# Allegro board 6089-119-RevA_41.brd (continued)
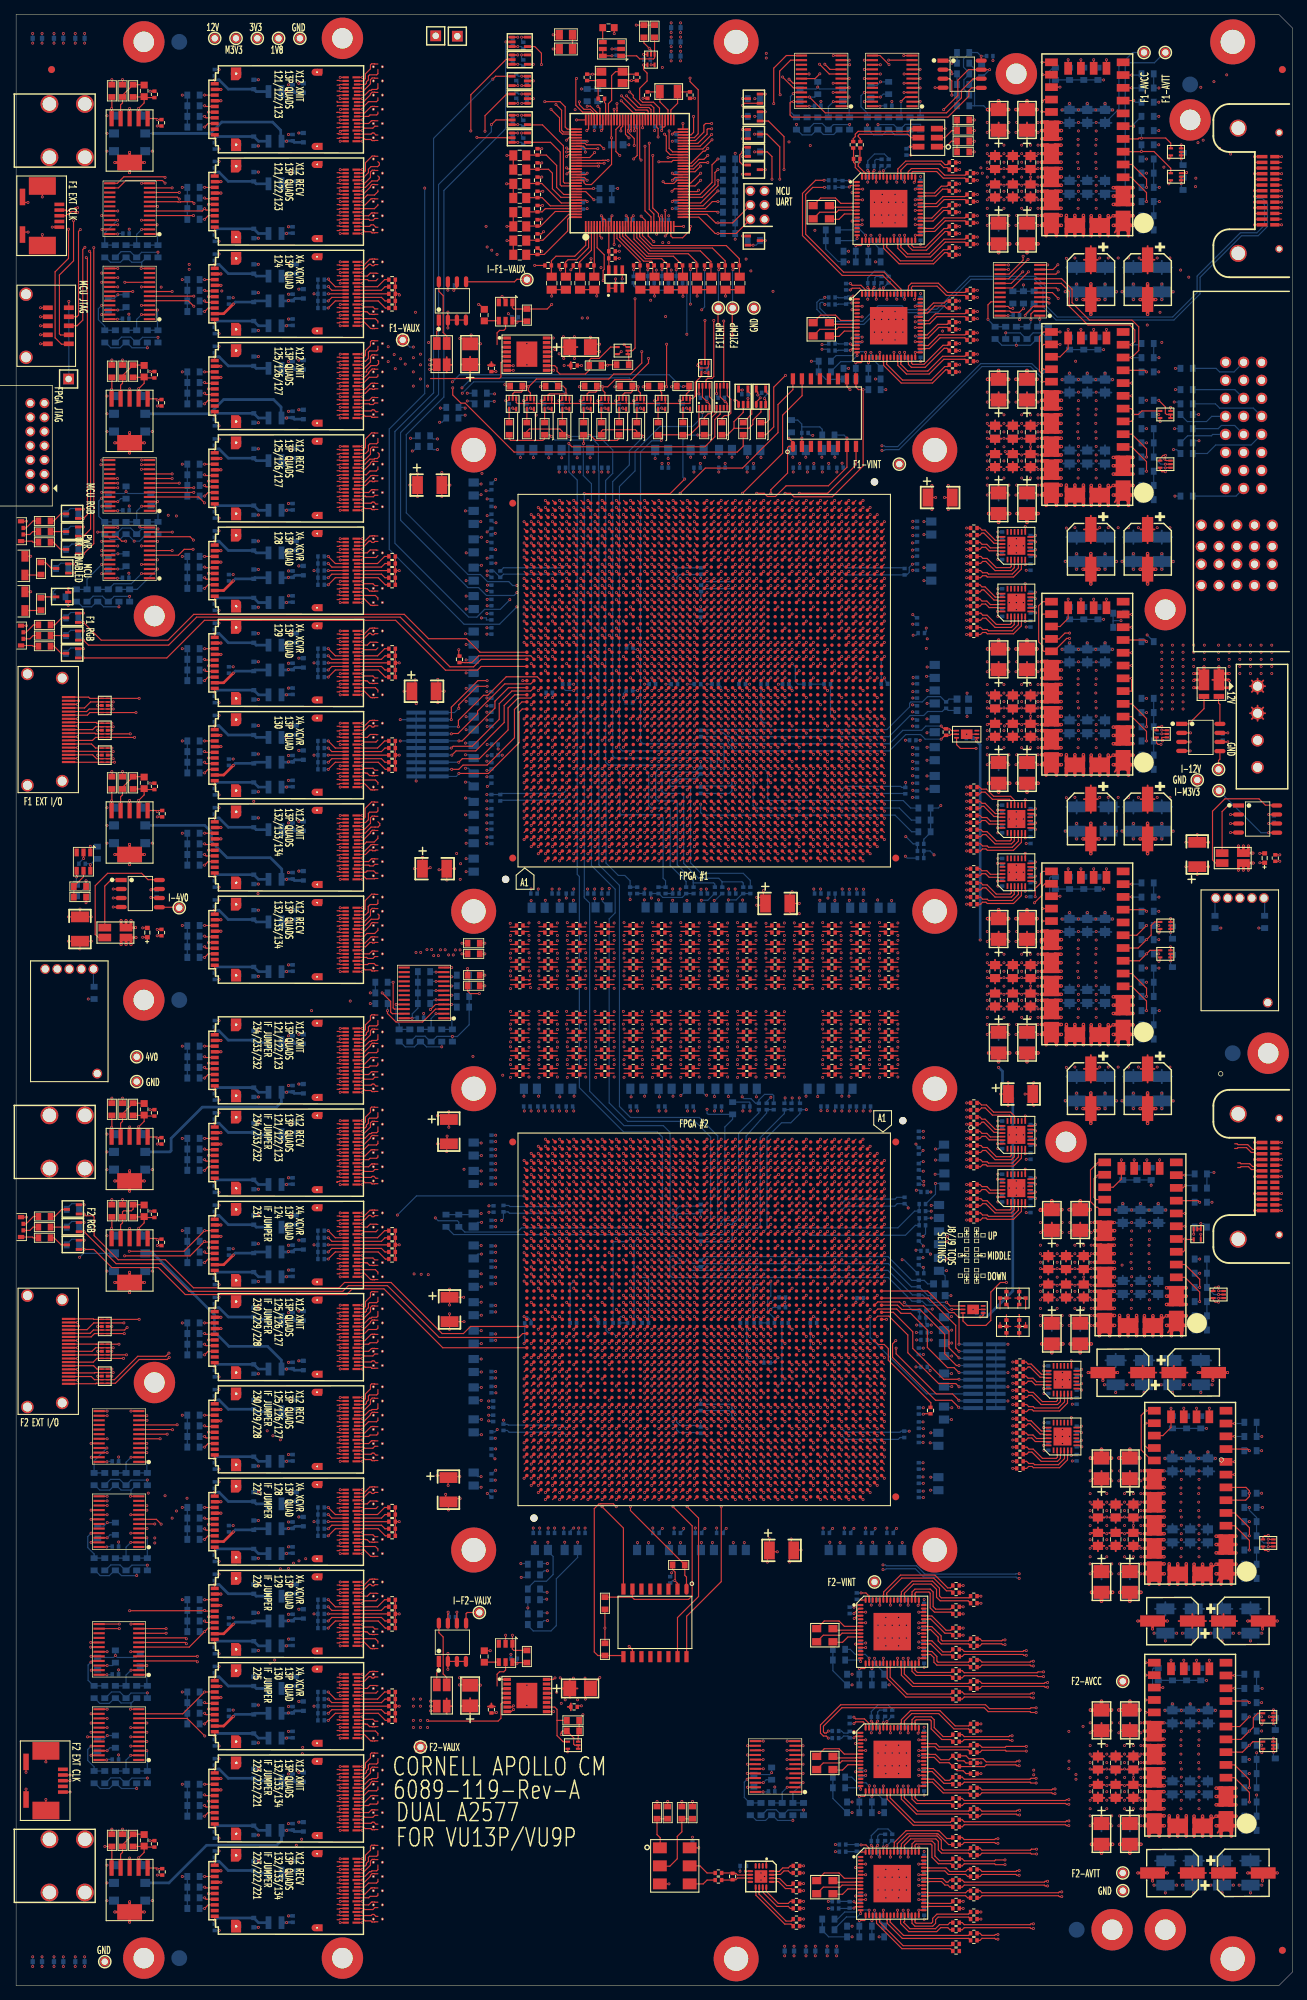
[diagram p0: board, top side]
## Routing (per net, layer and track width the routed paths; a pad name or vN(x,y) marks a point on that pad's centre or on a via; arc(x,y) is an arc through that point) (continued)
GND: length 8752.8
  TOP w0.165: U75.AL34 v1(102.39,192.29) ; U77.BA43 v1(81.61,76.51) ; U75.BE15 v1(116.39,172.51) ; U75.U4 v1(87.61,161.51) ; U77.M46 v1(111.39,73.51) ; U75.K2 v1(80.61,159.51) ; U77.Y46 v1(103.39,73.51) ; U43A.A7 v1(48.81,14.9) ; U77.F14 v1(117.39,106.29) ; U77.AA22 v1(102.39,98.29) ; U75.A35 v1(71.61,193.29) ; R77.2 v1(62.85,145.4) ; v1(68.51,238.03) 68.51,237.94 69,237.45 U47.2 ; U77.AD51 v1(99.39,68.51) ; C15.2 v1(19.89,262.05) ; U31A.A13 v1(48.81,171.9) ; U77.BK33 v1(72.61,86.51) ; U75.AG20 v1(98.39,177.51) ; U75.AE32 v1(95.61,190.29) ; U77.AN12 v1(89.61,108.29) ; U75.N3 v1(83.61,160.51) ; U75.AD11 v1(94.61,168.51) ; U77.A39 v1(122.39,80.51) ; U77.R12 v1(108.39,108.29) ; U36A.A13 v1(48.81,102.9) ; U75.M51 v1(82.61,209.29) ; U41A.A7 v1(48.81,40.9) ; U77.N20 v1(110.39,100.29) ; U75.AH21 v1(99.39,178.51) ; U77.H16 v1(115.39,104.29) ; U77.AN47 v1(89.61,72.51) ; U42A.B7 v1(45.69,27.9) ; U77.AG12 v1(95.61,108.29) ; U75.AG8 v1(98.39,165.51) ; U77.AR28 v1(87.61,91.51) ; U24A.B7 45.69,265.9 v1(45.69,265.91) ; U75.B6 v1(72.61,163.51) ; v1(131.4,208) 131.4,209.14 C295.2 ; U75.W26 v1(89.61,184.29) ; U75.AW38 v1(110.39,196.29) ; U75.BE9 v1(116.39,166.51) ; U75.AJ14 v1(100.39,171.51) ; U75.C36 v1(73.61,194.29) ; U77.AP27 v1(88.61,92.51) ; U77.BK16 v1(72.61,104.29) ; U77.BG7 v1(75.61,113.29) ; U75.AC16 v1(93.61,173.51) ; U75.AA9 v1(91.61,166.51) ; U77.AA47 v1(102.39,72.51) ; U77.N38 v1(110.39,81.51) ; U77.E34 v1(118.39,85.51) ; U75.BD11 v1(115.39,168.51) ; U75.E48 v1(75.61,206.29) ; P3.1 v1(178.38,118.83) ; U75.AN20 v1(104.39,177.51) ; U81.3 105.66,223.44 105.5,223.6 v1(105.5,223.65) ; U77.W24 v1(104.39,96.29) ; U77.H21 v1(115.39,99.29) ; U77.W36 v1(104.39,83.51) ; U75.AM6 v1(103.39,163.51) ; U77.BB51 v1(80.61,68.51) ; U29A.A16 v1(48.81,196.4) ; U77.AP2 v1(88.61,118.29) ; U37A.B16 v1(45.69,88.4) ; U75.AK37 v1(101.39,195.29) ; U77.BC5 v1(79.61,115.29) ; U77.AF19 v1(97.39,101.29) ; C37.2 C36.2 v1(69.15,253.9) ; U75.AC39 v1(93.61,197.29) ; U37A.A4 v1(48.81,94.4) ; U124.3 176.65,62.9 176.62,62.93 v1(176.5,62.93) ; U77.AJ3 v1(93.61,117.29) ; U75.V47 v1(88.61,205.29) ; U75.AL12 v1(102.39,169.51) ; U106.13 v1(153.7,233.38) ; U75.M5 v1(82.61,162.51) ; U75.BH45 v1(119.39,203.29) ; U77.AY11 v1(82.61,109.29) ; U77.AN5 v1(89.61,115.29) ; U34A.B16 v1(45.69,127.4) ; U75.F19 v1(76.61,176.51) ; U75.R14 v1(85.61,171.51) ; U75.AU5 v1(108.39,162.51) ; v1(79.52,223.34) 79.83,223.34 80,223.51 U62.3 ; U77.BF51 v1(76.61,68.51) ; U75.BK14 v1(121.39,171.51) ; U77.BG48 v1(75.61,71.51) ; U57.8 69.78,38.62 70.12,38.98 70.12,38.92 v1(70.13,38.92) ; U75.AH47 v1(99.39,205.29) ; U75.B3 v1(72.61,160.51) ; U77.AP23 v1(88.61,97.29) ; U75.W14 v1(89.61,171.51) ; U75.BA40 v1(112.39,198.29) ; U75.W40 v1(89.61,198.29) ; U77.AD40 v1(99.39,79.51) ; U75.BE5 v1(116.39,162.51) ; U75.BL7 v1(122.39,164.51) ; U77.AB33 v1(101.39,86.51) ; U40A.A4 v1(48.81,55.4) ; U77.BL7 v1(71.61,113.29) ; U75.AJ26 v1(100.39,184.29) ; U75.AM19 v1(103.39,176.51) ; U75.AE24 v1(95.61,181.51) ; U77.V27 v1(105.39,92.51) ; U77.M5 v1(111.39,115.29) ; U37A.A7 v1(48.81,92.9) ; U78.3 96.27,228.69 96.1,228.52 v1(96.1,228.3) 96.45,227.95 97.43,227.95 97.6,228.12 U78.1 ; v1(62.5,43.4) 62.75,43.4 63.75,42.4 ; U75.D16 v1(74.61,173.51) ; U75.V1 v1(88.61,158.51) ; U38A.A13 v1(48.81,76.9) ; U75.Y21 v1(90.61,178.51) ; U77.AP31 v1(88.61,88.51) ; U77.BE49 v1(77.61,70.51) ; U75.AL20 v1(102.39,177.51) ; U77.BH20 v1(74.61,100.29) ; U77.AL48 v1(91.61,71.51) ; U43A.B19 v1(45.69,8.9) ; U77.W18 v1(104.39,102.29) ; U77.BK5 v1(72.61,115.29) ; U120.7 v1(170.81,176.53) ; U77.AT1 v1(86.61,119.29) ; U77.AU18 v1(85.61,102.29) ; U77.AM37 v1(90.61,82.51) ; U77.AF27 v1(97.39,92.51) ; v1(84,249.4) 83.9,249.3 U68.10 ; U77.BB38 v1(80.61,81.51) ; U75.BJ43 v1(120.39,201.29) ; U31A.B1 v1(45.69,177.9) ; U77.AF5 v1(97.39,115.29) ; U77.BJ39 v1(73.61,80.51) ; U75.BB2 v1(113.39,159.51) ; U75.AR8 v1(106.39,165.51) ; U75.AJ4 v1(100.39,161.51) ; U75.E12 v1(75.61,169.51) ; U75.AT51 v1(107.39,209.29) ; U75.C21 v1(73.61,178.51) ; U75.AK33 v1(101.39,191.29) ; v1(70.1,39.45) 69.92,39.27 U57.7 ; U75.AE9 v1(95.61,166.51) ; U75.U28 v1(87.61,186.29) ; U77.L38 v1(112.39,81.51) ; U77.C40 v1(120.39,79.51) ; U75.AH27 v1(99.39,185.29) ; U75.T11 v1(86.61,168.51) ; U77.AE47 v1(98.39,72.51) ; U77.AT46 v1(86.61,73.51) ; U75.AK38 v1(101.39,196.29) ; R50.1 R51.1 R52.1 ; R50.1 v1(54.01,173.4) ; R50.1 R49.1 R48.1 ; v1(82.02,223.34) 82.33,223.34 82.5,223.51 U63.3 ; U77.BH11 v1(74.61,109.29) ; U75.W24 v1(89.61,181.51) ; C22.2 59.45,182.64 59.45,184.07 v1(59.44,184.07) ; C22.2 v1(60.35,182.4) ; C22.2 59.44,182.17 v1(59.44,180.8) ; U77.L3 v1(112.39,117.29) ; U77.AK15 v1(92.61,105.29) ; U77.D1 v1(119.39,119.29) ; U75.BH46 v1(119.39,204.29) ; U77.AC28 v1(100.39,91.51) ; U75.AH11 v1(99.39,168.51) ; v1(74.02,223.34) 74.33,223.34 74.5,223.51 U59.3 ; U77.AF21 v1(97.39,99.29) ; U75.AR38 v1(106.39,196.29) ; U75.AG3 v1(98.39,160.51) ; U77.AA26 v1(102.39,94.29) ; U75.AP2 v1(105.39,159.51) ; U77.BK38 v1(72.61,81.51) ; U29A.A4 v1(48.81,202.4) ; U34A.A10 v1(48.81,130.4) ; U25A.B19 v1(45.69,246.9) ; U77.G8 v1(116.39,112.29) ; U114.3 v1(162.74,146.38) ; U75.BF47 v1(117.39,205.29) ; U27A.B4 v1(45.69,228.4) ; U77.K7 v1(113.39,113.29) ; U77.BF47 v1(76.61,72.51) ; U39A.A13 v1(48.81,63.9) ; U75.AT25 v1(107.39,182.51) ; U77.BA9 v1(81.61,111.29) ; U77.BA12 v1(81.61,108.29) ; U123.2 v1(171.19,165.03) ; U75.AA48 v1(91.61,206.29) ; U75.N9 v1(83.61,166.51) ; U117.13 v1(168.2,81.38) ; U77.AH31 v1(94.61,88.51) ; U34A.B1 v1(45.69,134.9) ; U77.AE18 v1(98.39,102.29) ; R55.1 R54.1 R53.1 ; R55.1 v1(54.01,104.4) ; R55.1 R56.1 R57.1 ; U77.AL44 v1(91.61,75.51) ; U77.AV10 v1(84.61,110.29) ; U77.AG47 v1(95.61,72.51) ; U77.N4 v1(110.39,116.29) ; U75.H32 v1(78.61,190.29) ; U41A.A16 v1(48.81,36.4) ; U75.AH31 v1(99.39,189.29) ; U26A.A19 v1(48.81,233.9) ; U75.AH51 v1(99.39,209.29) ; U31A.B13 v1(45.69,171.9) ; U77.BC30 v1(79.61,89.51) ; J5.13 v1(8.66,178.52) ; U77.BJ50 v1(73.61,69.51) ; U77.AT23 v1(86.61,97.29) ; U77.Y17 v1(103.39,103.29) ; U75.AL47 v1(102.39,205.29) ; 14.81,153.26 v1(13.69,153.26) ; U75.AD23 v1(94.61,180.51) ; U77.AR14 v1(87.61,106.29) ; U45.2 U45.3 U45.4 ; U45.2 v1(60.87,233.59) ; U45.2 60.87,235.83 v1(60.88,235.83) ; U41A.A1 v1(48.81,43.9) ; U77.A36 v1(122.39,83.51) ; U75.BG44 v1(118.39,202.29) ; U77.AV35 v1(84.61,84.51) ; U35A.A7 v1(48.81,118.9) ; U75.N49 v1(83.61,207.29) ; v1(66.84,47.21) C31.2 ; U75.F51 v1(76.61,209.29) ; U77.AE26 v1(98.39,94.29) ; U75.BG28 v1(118.39,186.29) ; R144.1 v1(135.07,258.4) ; U75.AY11 v1(111.39,168.51) ; U75.V45 v1(88.61,203.29) ; U77.AD17 v1(99.39,103.29) ; U77.AD12 v1(99.39,108.29) ; U77.AK38 v1(92.61,81.51) ; U75.AJ28 v1(100.39,186.29) ; U75.B23 v1(72.61,180.51) ; U43A.A13 v1(48.81,11.9) ; C156.2 v1(95.64,265.95) ; U75.W5 v1(89.61,162.51) ; U42A.A4 v1(48.81,29.4) ; U77.AC18 v1(100.39,102.29) ; C543.2 v1(175.32,159.56) ; U75.BH5 v1(119.39,162.51) ; U77.AN14 v1(89.61,106.29) ; 116.3,271.98 v1(115.2,271.98) ; U75.BE38 v1(116.39,196.29) ; U75.T6 v1(86.61,163.51) ; U75.K51 v1(80.61,209.29) ; U75.AR40 v1(106.39,198.29) ; U77.BK42 v1(72.61,77.51) ; U75.AE34 v1(95.61,192.29) ; U75.AN38 v1(104.39,196.29) ; U77.AL14 v1(91.61,106.29) ; U77.AE38 v1(98.39,81.51) ; U77.J43 v1(114.39,76.51) ; U77.V47 v1(105.39,72.51) ; v1(69.02,223.34) 69.33,223.34 69.5,223.51 U49.3 ; U77.W30 v1(104.39,89.51) ; U56.1 68.45,232.18 68.45,232.17 v1(68.36,232.17) ; U75.U5 v1(87.61,162.51) ; U75.N43 v1(83.61,201.29) ; U41A.B4 v1(45.69,42.4) ; U75.BB50 v1(113.39,208.29) ; U77.C3 v1(120.39,117.29) ; U75.BC48 v1(114.39,206.29) ; U75.BL4 v1(122.39,161.51) ; U26A.B1 v1(45.69,242.9) ; U75.AV25 v1(109.39,182.51) ; U27A.A7 v1(48.81,226.9) ; U77.R48 v1(108.39,71.51) ; U75.AT50 v1(107.39,208.29) ; U75.AG24 v1(98.39,181.51) ; U77.T1 v1(107.39,119.29) ; U75.B7 v1(72.61,164.51) ; U75.BD46 v1(115.39,204.29) ; U77.V51 v1(105.39,68.51) ; U75.AP29 v1(105.39,187.29) ; U77.AH27 v1(94.61,92.51) ; U75.AH6 v1(99.39,163.51) ; U75.H11 v1(78.61,168.51) ; v1(84.52,223.34) 84.83,223.34 85,223.51 U67.3 ; U77.E4 v1(118.39,116.29) ; U24A.A19 v1(48.81,259.9) ; U75.E16 v1(75.61,173.51) ; 150.45,123.6 150.45,123.59 v1(150.37,123.59) ; U77.J49 v1(114.39,70.51) ; U39A.B1 v1(45.69,69.9) ; U36A.A7 v1(48.81,105.9) ; v1(109.03,59.72) 109.03,60.77 C228.2 ; U74.3 94,223.51 93.83,223.34 v1(93.52,223.34) ; U77.AW47 v1(83.61,72.51) ; U39A.A1 v1(48.81,69.9) ; C75.2 C74.2 v1(75.5,238.08) ; U75.BA16 v1(112.39,173.51) ; U75.AF12 v1(97.39,169.51) ; U37A.B13 v1(45.69,89.9) ; U75.AG38 v1(98.39,196.29) ; U75.E35 v1(75.61,193.29) ; U75.B32 v1(72.61,190.29) ; U77.G49 v1(116.39,70.51) ; U75.G47 v1(77.61,205.29) ; R35.1 54.01,238.4 54.01,238.23 v1(54.03,238.23) ; R35.1 R34.1 R33.1 ; R35.1 R36.1 R37.1 ; U68.48 92.7,255.2 v1(92.5,255.4) ; U75.G48 v1(77.61,206.29) ; U75.F10 v1(76.61,167.51) ; U41A.A19 v1(48.81,34.9) ; U77.Y19 v1(103.39,101.29) ; v1(69,49.4) U48.2 ; U75.C48 v1(73.61,206.29) ; U68.17 86.7,249.1 v1(87,249.4) ; U77.W14 v1(104.39,106.29) ; U77.AE43 v1(98.39,76.51) ; U77.BF20 v1(76.61,100.29) ; U77.AL24 v1(91.61,96.29) ; U77.P10 v1(109.39,110.29) ; U75.BL16 v1(122.39,173.51) ; U76.4 97.75,222.85 v1(97.4,223.2) 96.75,223.85 U76.7 ; U75.AP23 v1(105.39,180.51) ; U77.BA16 v1(81.61,104.29) ; U77.AC47 v1(100.39,72.51) ; U75.BH7 v1(119.39,164.51) ; U77.BE40 v1(77.61,79.51) ; U75.AP21 v1(105.39,178.51) ; U77.U43 v1(106.39,76.51) ; C481.2 143.26,125.65 ; 143.26,125.65 143.26,126.88 143.43,127.05 143.45,127.05 v1(143.45,127.25) ; 143.26,125.65 v1(142.22,125.65) ; 143.26,125.65 143.26,124.34 143.45,124.15 v1(143.45,124.05) ; U77.E18 v1(118.39,102.29) ; U77.AW12 v1(83.61,108.29) ; C94.2 C98.2 81.85,238.64 v1(81.85,238.1) ; U77.D50 v1(119.39,69.51) ; R22.2 v1(15,229.07) ; U75.AA47 v1(91.61,205.29) ; U77.N39 v1(110.39,80.51) ; U33A.B19 v1(45.69,142.9) ; U77.N49 v1(110.39,70.51) ; U43A.A4 v1(48.81,16.4) ; U75.J12 v1(79.61,169.51) ; U77.AN16 v1(89.61,104.29) ; U75.BH51 v1(119.39,209.29) ; U77.B32 v1(121.39,87.51) ; U77.AE3 v1(98.39,117.29) ; U75.AP7 v1(105.39,164.51) ; U77.C44 v1(120.39,75.51) ; U75.AT1 v1(107.39,158.51) ; U54.3 v1(70.72,262.24) ; U75.AN24 v1(104.39,181.51) ; U75.H35 v1(78.61,193.29) ; U77.BJ2 v1(73.61,118.29) ; U29A.A7 v1(48.81,200.9) ; U77.AL49 v1(91.61,70.51) ; U75.L26 v1(81.61,184.29) ; U77.AT6 v1(86.61,114.29) ; U120.2 v1(165.55,176.53) ; U77.AJ49 v1(93.61,70.51) ; U77.G28 v1(116.39,91.51) ; U75.N48 v1(83.61,206.29) ; U77.AW14 v1(83.61,106.29) ; U77.BF6 v1(76.61,114.29) ; U75.D11 v1(74.61,168.51) ; U77.BF10 v1(76.61,110.29) ; U31A.A7 v1(48.81,174.9) ; U77.BL35 v1(71.61,84.51) ; U77.M11 v1(111.39,109.29) ; U77.BG40 v1(75.61,79.51) ; U75.AK27 v1(101.39,185.29) ; 152.65,123.6 v1(152.65,123.59) ; U40A.A19 v1(48.81,47.9) ; U77.AP42 v1(88.61,77.51) ; U36A.A4 v1(48.81,107.4) ; U31A.B19 v1(45.69,168.9) ; C76.2 v1(79.7,228.3) ; U111.3 v1(162.74,222.4) ; U75.B36 v1(72.61,194.29) ; U77.AY2 v1(82.61,118.29) ; U77.AA43 v1(102.39,76.51) ; U75.P17 v1(84.61,174.51) ; U75.AF21 v1(97.39,178.51) ; U75.AL38 v1(102.39,196.29) ; U120.4 v1(165.5,174) ; R70.1 R71.1 R72.1 ; R70.1 v1(54.01,39.4) ; R70.1 R69.1 R68.1 ; U77.AC30 v1(100.39,89.51) ; 152.65,237.6 v1(152.65,237.59) ; U28A.B19 v1(45.69,207.9) ; C1.2 v1(7.4,150.61) ; C1.2 v1(10.6,150.61) ; C1.2 v1(9,151.71) ; U75.AM31 v1(103.39,189.29) ; U77.G5 v1(116.39,115.29) ; U39A.B4 v1(45.69,68.4) ; U77.Y11 v1(103.39,109.29) ; U25A.A4 v1(48.81,254.4) ; R43.1 R44.1 R45.1 ; U36A.B1 v1(45.69,108.9) ; U77.BB47 v1(80.61,72.51) ; U75.U39 v1(87.61,197.29) ; U77.BB33 v1(80.61,86.51) ; U75.BB1 v1(113.39,158.51) ; U75.Y35 v1(90.61,193.29) ; U75.BE37 v1(116.39,195.29) ; U77.BH45 v1(74.61,74.51) ; U44.12 v1(61.4,143.47) ; U2.2 v1(9.5,158.83) ; U77.AM27 v1(90.61,92.51) ; U77.AM1 v1(90.61,119.29) ; v1(64.15,232.6) 64.15,231.51 C28.2 ; U77.AP47 v1(88.61,72.51) ; U77.T11 v1(107.39,109.29) ; U75.BE4 v1(116.39,161.51) ; U77.W49 v1(104.39,70.51) ; U77.AJ9 v1(93.61,111.29) ; U75.AN34 v1(104.39,192.29) ; U40A.A1 v1(48.81,56.9) ; U75.D32 v1(74.61,190.29) ; U75.H2 v1(78.61,159.51) ; U41A.A4 v1(48.81,42.4) ; v1(45.69,112.89) 45.69,112.9 U35A.B19 ; U77.BA14 v1(81.61,106.29) ; U75.AB51 v1(92.61,209.29) ; U75.D20 v1(74.61,177.51) ; U77.U13 v1(106.39,107.29) ; U77.K51 v1(113.39,68.51) ; U77.A21 v1(122.39,99.29) ; U38A.B16 v1(45.69,75.4) ; U77.AD27 v1(99.39,92.51) ; U75.BE40 v1(116.39,198.29) ; U77.AJ38 v1(93.61,81.51) ; v1(75.76,227.63) 75.75,227.63 75.75,227.62 U56.9 ; U75.D41 v1(74.61,199.29) ; J6.8 v1(8.66,88.38) ; U77.BA40 v1(81.61,79.51) ; U35A.B4 v1(45.69,120.4) ; U75.AV42 v1(109.39,200.29) ; U77.P45 v1(109.39,74.51) ; U30A.A19 v1(48.81,181.9) ; U75.BL45 v1(122.39,203.29) ; U77.AH25 v1(94.61,95.29) ; U75.D31 v1(74.61,189.29) ; U75.F38 v1(76.61,196.29) ; U75.BG49 v1(118.39,207.29) ; v1(169.5,97.93) 169.62,97.93 169.65,97.9 U121.3 ; U77.G34 v1(116.39,85.51) ; C13.2 v1(18.89,109.15) ; U77.AY50 v1(82.61,69.51) ; U75.BF2 v1(117.39,159.51) ; U77.AP21 v1(88.61,99.29) ; U75.AF51 v1(97.39,209.29) ; U75.J3 v1(79.61,160.51) ; C9.2 v1(18.89,266.95) ; U28A.B16 v1(45.69,209.4) ; U75.AB19 v1(92.61,176.51) ; U75.Y50 v1(90.61,208.29) ; U77.AK1 v1(92.61,119.29) ; U75.AF19 v1(97.39,176.51) ; U41A.A13 v1(48.81,37.9) ; U75.G5 v1(77.61,162.51) ; U75.R5 v1(85.61,162.51) ; U77.AH5 v1(94.61,115.29) ; U75.AD12 v1(94.61,169.51) ; U75.E7 v1(75.61,164.51) ; U75.BJ13 v1(120.39,170.51) ; U77.Y29 v1(103.39,90.51) ; v1(117.55,224.9) 117.12,225.33 U85.10 ; U51.3 v1(70.72,270.74) ; v1(60.55,69.25) 60.55,68.59 C25.2 ; U77.F6 v1(117.39,114.29) ; U75.AY1 v1(111.39,158.51) ; U77.N3 v1(110.39,117.29) ; U77.AA5 v1(102.39,115.29) ; U77.BJ48 v1(73.61,71.51) ; U77.H46 v1(115.39,73.51) ; U38A.B1 v1(45.69,82.9) ; U77.AU14 v1(85.61,106.29) ; U75.Y41 v1(90.61,199.29) ; U77.AY47 v1(82.61,72.51) ; U125.3 v1(177.24,38.88) ; U75.J9 v1(79.61,166.51) ; U77.BC20 v1(79.61,100.29) ; C228.2 109.25,61.71 v1(109.25,62.95) ; C228.2 109.66,61.4 v1(110.65,61.4) ; U77.AU9 v1(85.61,111.29) ; U75.BA14 v1(112.39,171.51) ; U33A.A13 v1(48.81,145.9) ; J6.5 v1(8.66,86.86) ; U75.BE14 v1(116.39,171.51) ; U77.E16 v1(118.39,104.29) ; U75.AJ34 v1(100.39,192.29) ; U75.W47 v1(89.61,205.29) ; U75.BA49 v1(112.39,207.29) ; U75.U9 v1(87.61,166.51) ; U75.J22 v1(79.61,179.51) ; J6.11 v1(8.66,89.91) ; U27A.A16 v1(48.81,222.4) ; U75.AV51 v1(109.39,209.29) ; v1(82.25,231.3) 81.67,231.3 81.5,231.13 81.5,230.9 ; U77.BB50 v1(80.61,69.51) ; U75.AA28 v1(91.61,186.29) ; U77.BA49 v1(81.61,70.51) ; U75.C45 v1(73.61,203.29) ; U7.3 v1(11.5,89.4) ; U75.G34 v1(77.61,192.29) ; U77.P1 v1(109.39,119.29) ; U77.BE33 v1(77.61,86.51) ; U4.8 v1(13.5,176.9) ; U75.AP51 v1(105.39,209.29) ; U30A.A4 v1(48.81,189.4) ; U25A.B4 v1(45.69,254.4) ; U33A.A1 v1(48.81,151.9) ; U77.AF35 v1(97.39,84.51) ; P2.1 v1(178.38,257.73) ; U75.W36 v1(89.61,194.29) ; U75.AA38 v1(91.61,196.29) ; U77.N48 v1(110.39,71.51) ; v1(62.55,232.1) 63.26,232.1 C28.2 ; U77.A17 v1(122.39,103.29) ; U37A.B19 v1(45.69,86.9) ; U34A.A1 v1(48.81,134.9) ; U77.AB38 v1(101.39,81.51) ; U77.AN38 v1(89.61,81.51) ; U75.BF51 v1(117.39,209.29) ; U77.E24 v1(118.39,96.29) ; C25.2 61.41,68.65 v1(62.6,68.65) ; C25.2 v1(60.95,67.05) ; U42A.B19 v1(45.69,21.9) ; U77.M41 v1(111.39,78.51) ; U75.F36 v1(76.61,194.29) ; U77.AP35 v1(88.61,84.51) ; U77.AH33 v1(94.61,86.51) ; U77.AF33 v1(97.39,86.51) ; U77.AL3 v1(91.61,117.29) ; U75.BG8 v1(118.39,165.51) ; U77.P7 v1(109.39,113.29) ; U77.BL45 v1(71.61,74.51) ; U77.E7 v1(118.39,113.29) ; U75.F20 v1(76.61,177.51) ; U77.M23 v1(111.39,97.29) ; U77.R4 v1(108.39,116.29) ; U77.L47 v1(112.39,72.51) ; U75.AA34 v1(91.61,192.29) ; v1(150.37,199.59) 150.45,199.59 150.45,199.6 ; U38A.B19 v1(45.69,73.9) ; Q13.2 v1(105.6,264.05) ; U75.AM27 v1(103.39,185.29) ; U75.A45 v1(71.61,203.29) ; U75.A16 v1(71.61,173.51) ; U75.P10 v1(84.61,167.51) ; U34A.A13 v1(48.81,128.9) ; U75.V23 v1(88.61,180.51) ; U77.AL28 v1(91.61,91.51) ; U3.3 v1(11.5,180.4) ; U77.BB10 v1(80.61,110.29) ; U77.BH25 v1(74.61,95.29) ; U77.N43 v1(110.39,76.51) ; U77.D6 v1(119.39,114.29) ; U75.AG4 v1(98.39,161.51) ; U77.AL4 v1(91.61,116.29) ; U77.AK10 v1(92.61,110.29) ; U75.L8 v1(81.61,165.51) ; X1.2 82.15,269.35 v1(81.25,269.35) C97.2 ; U77.BF46 v1(76.61,73.51) ; U75.AW22 v1(110.39,179.51) ; U77.AC38 v1(100.39,81.51) ; U77.B16 v1(121.39,104.29) ; U75.AA36 v1(91.61,194.29) ; U77.AR22 v1(87.61,98.29) ; U75.BD47 v1(115.39,205.29) ; U40A.B7 v1(45.69,53.9) ; J4.7 v1(3.44,232.63) ; U77.G12 v1(116.39,108.29) ; U36A.B4 v1(45.69,107.4) ; U75.BC5 v1(114.39,162.51) ; R60.1 R61.1 R62.1 ; R60.1 R59.1 R58.1 ; R60.1 v1(54.01,65.4) ; U39A.B7 v1(45.69,66.9) ; J4.3 v1(3.44,235.17) ; U75.E31 v1(75.61,189.29) ; U36A.A1 v1(48.81,108.9) ; U52.3 v1(71.28,269.06) ; U77.U4 v1(106.39,116.29) ; U77.AE4 v1(98.39,116.29) ; U77.Y5 v1(103.39,115.29) ; U77.T2 v1(107.39,118.29) ; U77.AP45 v1(88.61,74.51) ; U29A.A19 v1(48.81,194.9) ; U75.BJ34 v1(120.39,192.29) ; U77.BJ3 v1(73.61,117.29) ; U77.B42 v1(121.39,77.51) ; U75.R12 v1(85.61,169.51) ; U77.AD31 v1(99.39,88.51) ; U77.BG44 v1(75.61,75.51) ; U75.BG21 v1(118.39,178.51) ; U75.AV5 v1(109.39,162.51) ; U38A.A7 v1(48.81,79.9) ; U75.AW32 v1(110.39,190.29) ; J2.5 v1(5.1,247.8) ; U77.AH37 v1(94.61,82.51) ; U75.J5 v1(79.61,162.51) ; U43A.B7 v1(45.69,14.9) ; U75.AK29 v1(101.39,187.29) ; U75.AW47 v1(110.39,205.29) ; U75.BK31 v1(121.39,189.29) ; U75.AH46 v1(99.39,204.29) ; U77.AD41 v1(99.39,78.51) ; U75.AB5 v1(92.61,162.51) ; U31A.A4 v1(48.81,176.4) ; C24.2 v1(61.81,157.4) ; C24.2 v1(60.71,155.8) ; C24.2 60.05,157.4 59.9,157.25 v1(59.62,157.25) ; U75.BL31 v1(122.39,189.29) ; U75.AB35 v1(92.61,193.29) ; U75.D15 v1(74.61,172.51) ; v1(84.5,240.5) U65.2 U65.1 ; U77.AF47 v1(97.39,72.51) ; Q5.2 v1(9.5,203.05) ; v1(109.4,154.15) 109.06,153.81 C227.2 ; U75.AH37 v1(99.39,195.29) ; U75.Y33 v1(90.61,191.29) ; U75.D5 v1(74.61,162.51) ; U77.J4 v1(114.39,116.29) ; U77.AC14 v1(100.39,106.29) ; U77.AD11 v1(99.39,109.29) ; U77.AH21 v1(94.61,99.29) ; U75.AG49 v1(98.39,207.29) ; U77.AG34 v1(95.61,85.51) ; U77.AA30 v1(102.39,89.51) ; U77.AK35 v1(92.61,84.51) ; U77.R38 v1(108.39,81.51) ; U77.L49 v1(112.39,70.51) ; U77.W26 v1(104.39,94.29) ; U75.L44 v1(81.61,202.29) ; U75.B33 v1(72.61,191.29) ; U77.BK45 v1(72.61,74.51) ; U75.BH47 v1(119.39,205.29) ; v1(71.52,223.34) 71.83,223.34 72,223.51 U58.3 ; U75.BK32 v1(121.39,190.29) ; U75.AG16 v1(98.39,173.51) ; U75.A34 v1(71.61,192.29) ; U75.A36 v1(71.61,194.29) ; U77.AP25 v1(88.61,95.29) ; U75.AN12 v1(104.39,169.51) ; U77.V38 v1(105.39,81.51) ; U57.9 75.75,38.62 75.75,38.63 v1(75.76,38.63) ; U77.AE5 v1(98.39,115.29) ; U75.W20 v1(89.61,177.51) ; U77.R49 v1(108.39,70.51) ; U77.BB2 v1(80.61,118.29) ; R40.1 R41.1 R42.1 ; R40.1 v1(54.01,199.4) ; R40.1 R39.1 R38.1 ; Q9.2 v1(9.6,110.05) ; U75.L48 v1(81.61,206.29) ; U75.BK16 v1(121.39,173.51) ; U75.AH17 v1(99.39,174.51) ; U77.AV7 v1(84.61,113.29) ; U77.L12 v1(112.39,108.29) ; U75.Y51 v1(90.61,209.29) ; U75.AF23 v1(97.39,180.51) ; U79.4 100.25,222.95 100,223.2 v1(99.95,223.2) 99.25,223.9 U79.7 ; U75.AB21 v1(92.61,178.51) ; U23.7 19.12,154.53 v1(19,154.42) ; U77.C7 v1(120.39,113.29) ; U9.12 v1(16.2,80.97) ; U77.AC24 v1(100.39,96.29) ; U75.AL5 v1(102.39,162.51) ; U77.BG18 v1(75.61,102.29) ; U77.AE20 v1(98.39,100.29) ; U77.BJ13 v1(73.61,107.29) ; U77.G18 v1(116.39,102.29) ; U77.AU3 v1(85.61,117.29) ; U30A.A13 v1(48.81,184.9) ; U77.G3 v1(116.39,117.29) ; v1(79.68,39.45) 79.25,39.45 C77.2 ; U75.BL17 v1(122.39,174.51) ; U61.3 79.24,35.78 R101.1 R100.1 79.36,37.51 79.9,38.05 v1(79.9,38.2) ; v1(80.25,40.4) 80.25,41.2 80.95,41.9 C96.2 ; U75.BE43 v1(116.39,201.29) ; U77.AJ22 v1(93.61,98.29) ; U75.AN18 v1(104.39,175.51) ; U77.AB31 v1(101.39,88.51) ; U75.AW14 v1(110.39,171.51) ; U75.BE36 v1(116.39,194.29) ; U77.U5 v1(106.39,115.29) ; U77.AG4 v1(95.61,116.29) ; U77.BB7 v1(80.61,113.29) ; U5.3 v1(11.5,173.4) ; U75.AP1 v1(105.39,158.51) ; U77.BD41 v1(78.61,78.51) ; v1(76.52,223.34) 76.83,223.34 77,223.51 U60.3 ; U75.G12 v1(77.61,169.51) ; U75.D47 v1(74.61,205.29) ; U77.B20 v1(121.39,100.29) ; Q2.2 v1(7.35,196.88) ; U75.P47 v1(84.61,205.29) ; U77.AU24 v1(85.61,96.29) ; U75.T2 v1(86.61,159.51) ; U77.BL31 v1(71.61,88.51) ; U77.BJ31 v1(73.61,88.51) ; U77.BJ7 v1(73.61,113.29) ; U77.W5 v1(104.39,115.29) ; U77.J9 v1(114.39,111.29) ; J3.5 v1(7.6,27.3) ; U77.U48 v1(106.39,71.51) 